# Altium PCB FlightControl.PcbDoc (part 4 of 4)
Units mil, origin at the board's own origin, x right, y up, seen from the top; angles counter-clockwise.
Board outline 3041.49 x 3041.4 mil, 2 copper layers (Top Layer, Bottom Layer); 85 components, 57 nets, 277 pads, 426 vias.
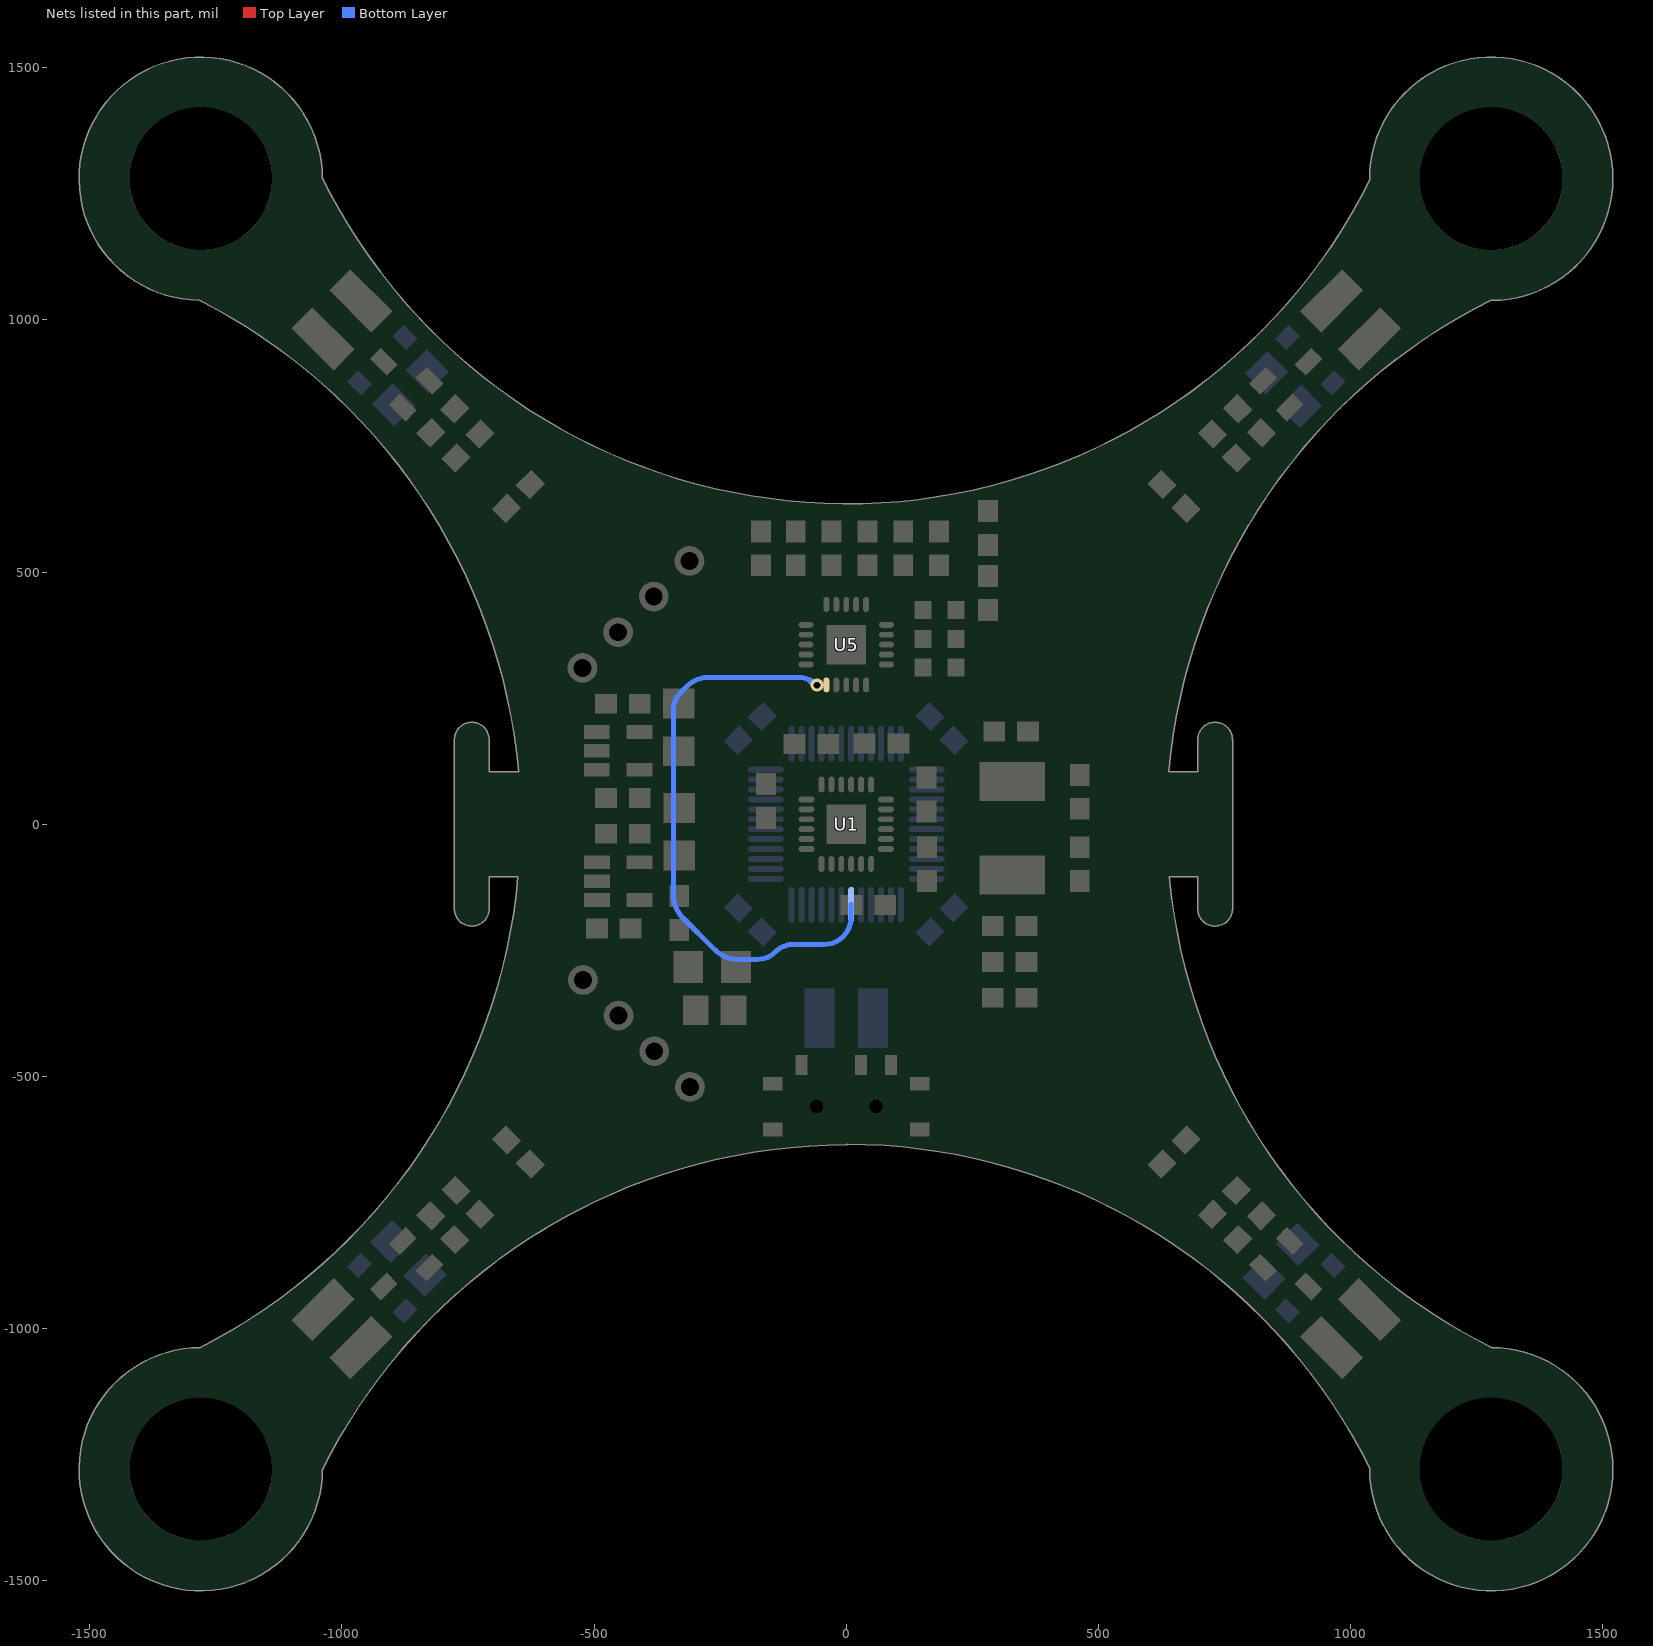
[diagram p4: the nets of this part, all layers, seen from the top]

## Via types
v1: diameter 30, hole 17, Top Layer to Bottom Layer, tented both sides, 126 vias
v2: diameter 30, hole 12, Top Layer to Bottom Layer, tented both sides, 112 vias
v3: diameter 25, hole 12, Top Layer to Bottom Layer, tented both sides, 92 vias
v4: diameter 25, hole 13, Top Layer to Bottom Layer, tented both sides, 36 vias
v5: diameter 16, hole 10, Top Layer to Bottom Layer, tented both sides, 22 vias
v6: diameter 20, hole 10, Top Layer to Bottom Layer, tented both sides, 15 vias
v7: diameter 25.98, hole 12.99, Top Layer to Bottom Layer, tented both sides, 8 vias
v8: diameter 20, hole 12, Top Layer to Bottom Layer, tented both sides, 7 vias
v9: diameter 23, hole 13, Top Layer to Bottom Layer, tented both sides, 5 vias
v10: diameter 30, hole 15, Top Layer to Bottom Layer, tented both sides, 3 vias

## Nets (pads, with @x,y where several pads share a name; then routed paths per layer and width w, separated by ;. In a path a pad name is that pad's centre, name@x,y a point inside that pad or via, vN(x,y) a via of type N, cw(c..) or ccw(c..) an arc to the next point about the centre after c; other vN are vias at no path point) (continued)
W_IRQ: U1.18 U5.6 | length 1357.6
  Top Layer w10: v4(-58,276) -57.72,276.28 U5.6@-39.37,276.28 ; v4@-52.7,281.3 ccw(c-40.56,293.44) U5.6@-40.56,276.28 ; v4@-52.7,281.3 ccw(c-40.56,293.44) U5.6@-40.56,276.28 ; v4@-52.7,281.3 ccw(c-40.56,293.44) U5.6@-40.56,276.28 ; v4@-52.67,270.73 cw(c-39.37,257.57) U5.6@-39.37,276.28 ; v4@-52.67,270.73 cw(c-39.37,257.57) U5.6@-39.37,276.28 ; v4@-52.67,270.73 cw(c-39.37,257.57) U5.6@-39.37,276.28
  Bottom Layer w10: -315,274 -328.94,260.06 ccw(c-295.29,226.42) -342.87,226.42 -342.87,-139.76 ccw(c-277.49,-139.76) -323.72,-186 -261,-248.72 ; -314.97,274.03 cw(c-273.96,232.96) -273.96,291 -94.21,291 cw(c-94.21,239.79) v4(-58,276) ; -260.97,-248.75 ccw(c-214.16,-201.88) -214.16,-268.13 -176.53,-268.13 ccw(c-176.53,-217.13) -140.48,-253.2 ; -140.45,-253.18 cw(c-104.41,-289.25) -104.41,-238.25 -43.13,-238.25 ccw(c-43.13,-186.18) -6.31,-223 ccw(c-45.3,-184.01) 9.84,-184.01 U1.18@9.84,-159.45 ; -73.69,285.06 cw(c-82.74,269.36) v4@-65.24,274.06 ; -73.69,285.06 cw(c-82.74,269.36) v4@-65.24,274.06 ; -73.69,285.06 cw(c-82.74,269.36) v4@-65.24,274.06 ; -73.67,285.05 ccw(c-64.63,300.72) v4@-59.94,283.24 ; -73.67,285.05 ccw(c-64.63,300.72) v4@-59.94,283.24 ; -73.67,285.05 ccw(c-64.63,300.72) v4@-59.94,283.24
pads on no net: S.0 U1.1 U1.2 U1.3 U1.4 U1.21 U1.22 U1.25 U1.26 U1.27 U1.28 U1.33 U1.38 U1.45 U1.46 U4.2 U4.3 U4.4 U4.5 U4.6 U4.7 U4.12 U4.14 U4.15 U4.16 U4.17 U4.19 U4.21 U4.22 U5.9

## Polygon pours and split planes (outlines as drawn)
GND on Bottom Layer "Top Layer-No Net" (solid, remove dead copper, pour order 4): -1600,1600 300,1600 300,385 570,385 570,800 570,1831 731,1831 1954,1831 1954,1523 1954,-2345 1867,-2345 -2086,-2345 -2086,-1956
GND on Top Layer "Top Layer-No Net" (solid, remove dead copper, pour order 6): -1699,1681 300,1681 300,385 570,385 570,805 570,1795 909,1795 2148,1795 2148,-2184 2148,-1938 -1998,-1938

## Keep-outs
Keep-Out Layer:
  lines w10: -1280.27,1043.25 cw(c-1810.06,0) -644.2,99.07 ; -1280,1043.78 cw(c-1280,1280) -1043.78,1280 ccw(c1.25,1796.17) -7.01,630.64 ; -772,-169.99 -772,0 -772,168 ; -771.85,168 cw(c-743,168) -742.5,196.85 ; -771.78,-169.98 ccw(c-743,-168) -743,-196.85 ccw(c-742,-168) -713.2,-169.99 ; -742,196.85 cw(c-742,168) -713.22,169.98 ; -713,-169.99 -713,-99 -646,-99 ; -713,169.99 -713,99 -645,99 ; -645.43,-99.05 cw(c-1811.32,-0.37) -1280,-1042.83 ccw(c-1280,-1279.06) -1043.78,-1279.06 cw(c0.54,-1796.28) -1.01,-630.89 ; -7,630.02 ccw(c0,1795.56) 1044.08,1277.47 ; -1,-629.61 cw(c0,-1795) 1042.77,-1274.66 ; 634.05,99.09 cw(c1795.31,0) 1276.64,1043.71 ; 635,99 702,99 702,169.99 ; 635.44,-99.04 ccw(c1796.58,1.44) 1279.06,-1042.83 cw(c1279.06,-1279.06) 1042.84,-1277.07 ; 636,-99 702,-99 702,-169.99 ; 702.2,-169.99 ccw(c731,-168) 732,-196.85 ccw(c732,-168) 760.78,-169.98 ; 702.22,169.98 cw(c731,168) 731,196.85 ; 731.5,196.85 cw(c732,168) 760.85,168 ; 761,-169.99 761,0 761,168 ; 1042.83,1280 cw(c1279.06,1280) 1281.09,1043.79

## Other copper
Top Layer:
  region net NetDM4_1: -938,874 -895,917 -923,945 -966,902
  region net NetDM4_1: -964.5,847.5 -922.5,889.5 -1056.5,1023.5 -1098.5,981.5
  region net NetDM3_1: -901,-966 -873.5,-938.5 -916.5,-895.5 -944,-923
  region net NetDM3_1: -982.5,-1099.5 -847.5,-964.5 -889.5,-922.5 -1024.5,-1057.5
  rectangle net VCC: -140,-490 -76,-452
  rectangle net VCC: -260,-415 -205,-365
  rectangle net VCC: -260,-402 -190,-339
  rectangle net NetP4_2: 13,-501 105,-450
  region net NetDM1_1: 889.5,922.5 1024,1057 982,1099 847.5,964.5
  region net NetDM1_1: 917,895 945,923 907,961 879,933
  region net NetDM2_1: 1061,-1028 1103,-986 964,-847 922,-889
  region net NetDM2_1: 923,-945 957,-911 928.5,-882.5 894.5,-916.5
  region net VCC: -190,-402 -203,-415 -205,-415 -219,-401 -219,-390
  region net LED3: -166,191 -182,175 -182,158.58 -167,173.58
  region net LED3: -201,133 -220.28,113.72 -241,113.72 -224.72,130
Bottom Layer:
  rectangle net 3V3_1: -170,107 -143,135
  rectangle net VCC: -149,-470 -93,-440
  rectangle net VCC: -160,-490 -135,-380
  rectangle net VCC: -260,-415 -139,-380
  rectangle net NetP4_2: 13,-512 105,-326
  region net NetDM4_1: -964.5,847.5 -922.5,889.5 -1057,1024 -1099,982
  region net NetDM3_1: -983,-1100 -847.5,-964.5 -889.5,-922.5 -1025,-1058
  region net NetDM1_1: 889.5,922.5 1025,1058 983,1100 847.5,964.5
  region net NetDM2_1: 1058,-1025 1100,-983 964.5,-847.5 922.5,-889.5
  region net VCC: -120.5,-479.5 -111,-478 -93,-470 -95,-464.5 -110,-464.5
  region net VCC: -135,-490 -131,-490 -110,-469 -110,-460
  region net VCC: -135,-490 -115,-470 -93,-470 -93,-455 -105,-443 -143,-443 -148,-448

## Silkscreen, mask and mechanical layers (free items; w line width, h text height)
Top Overlay:
  lines w20: -1485,-1264 -1468.45,-1279 ; -1452,-1266 -1468.45,-1279 ; -1280,-1090.55 ccw(c-1280,-1279) -1468.45,-1279 ; -1280,1468.45 cw(c-1280,1280) -1091.55,1280 ; -1108,1293 -1091.55,1280 ; -1075,1295 -1091.55,1280 ; 1075,1295 1091.55,1280 ; 1108,1293 1091.55,1280 ; 1279,-1090.55 cw(c1279,-1279) 1467.45,-1279 ; 1280,1468.45 ccw(c1280,1280) 1091.55,1280 ; 1451,-1266 1467.45,-1279 ; 1484,-1264 1467.45,-1279
  text "-" at 1035.26,1065.4 h98.43 r315
  text "+" at -1056,1062 h98.43 r315
  text "+" at 1065,1058 h98.43 r225
  text "-" at -1063.4,1032.26 h98.43 r45
  text "TXD" at -424,614 h59.06 r315
  text "RXD" at -496,544 h59.06 r315
  text "GND" at -571,476 h59.06 r315
  text "VCC" at -640,403 h59.06 r315
  text "SWC" at -622,-431 h59.06 r45
  text "OFF" at 31,-431 h98.43
  text "ON" at -168,-432 h98.43
  text "SWD" at -550,-501 h59.06 r45
  text "3V3" at -467,-558 h59.06 r45
  text "GND" at -405,-638 h59.06 r45
  text "-" at 1064.4,-1033.26 h98.43 r225
  text "+" at -1062,-1058 h98.43 r45
  text "+" at 1057,-1063 h98.43 r135
  text "-" at -1032.26,-1065.4 h98.43 r135
Bottom Overlay:
  text "-" at 1035.26,1065.4 h98.43 r315
  text "+" at -1056,1062 h98.43 r315
  text "+" at 1065,1058 h98.43 r225
  text "-" at -1063.4,1032.26 h98.43 r45
  text "X4" at 205,317 h393.7
  text "-" at -117,-435 h98.43
  text "+" at 192,-437 h98.43
  text "POWER" at 135,-537 h98.43
  text "-" at 1064.4,-1033.26 h98.43 r225
  text "+" at -1062,-1058 h98.43 r45
  text "+" at 1057,-1063 h98.43 r135
  text "-" at -1032.26,-1065.4 h98.43 r135
Top Solder:
  lines w20: 279,492 279,481 339,481 339,651 379,651 379,481 419,481 419,681 459,681 459,481 499,481 499,716 539,716 539,420.46